# Altium PCB 400150.PcbDoc (part 2 of 3)
Units mil, origin at the board's own origin, x right, y up, seen from the top; angles counter-clockwise.
Board outline 4000 x 2500 mil, 4 copper layers (Top Layer, Mid-Layer 1, Mid-Layer 2, Bottom Layer), stack 62.293 mil thick; 207 components, 157 nets, 929 pads, 624 vias.
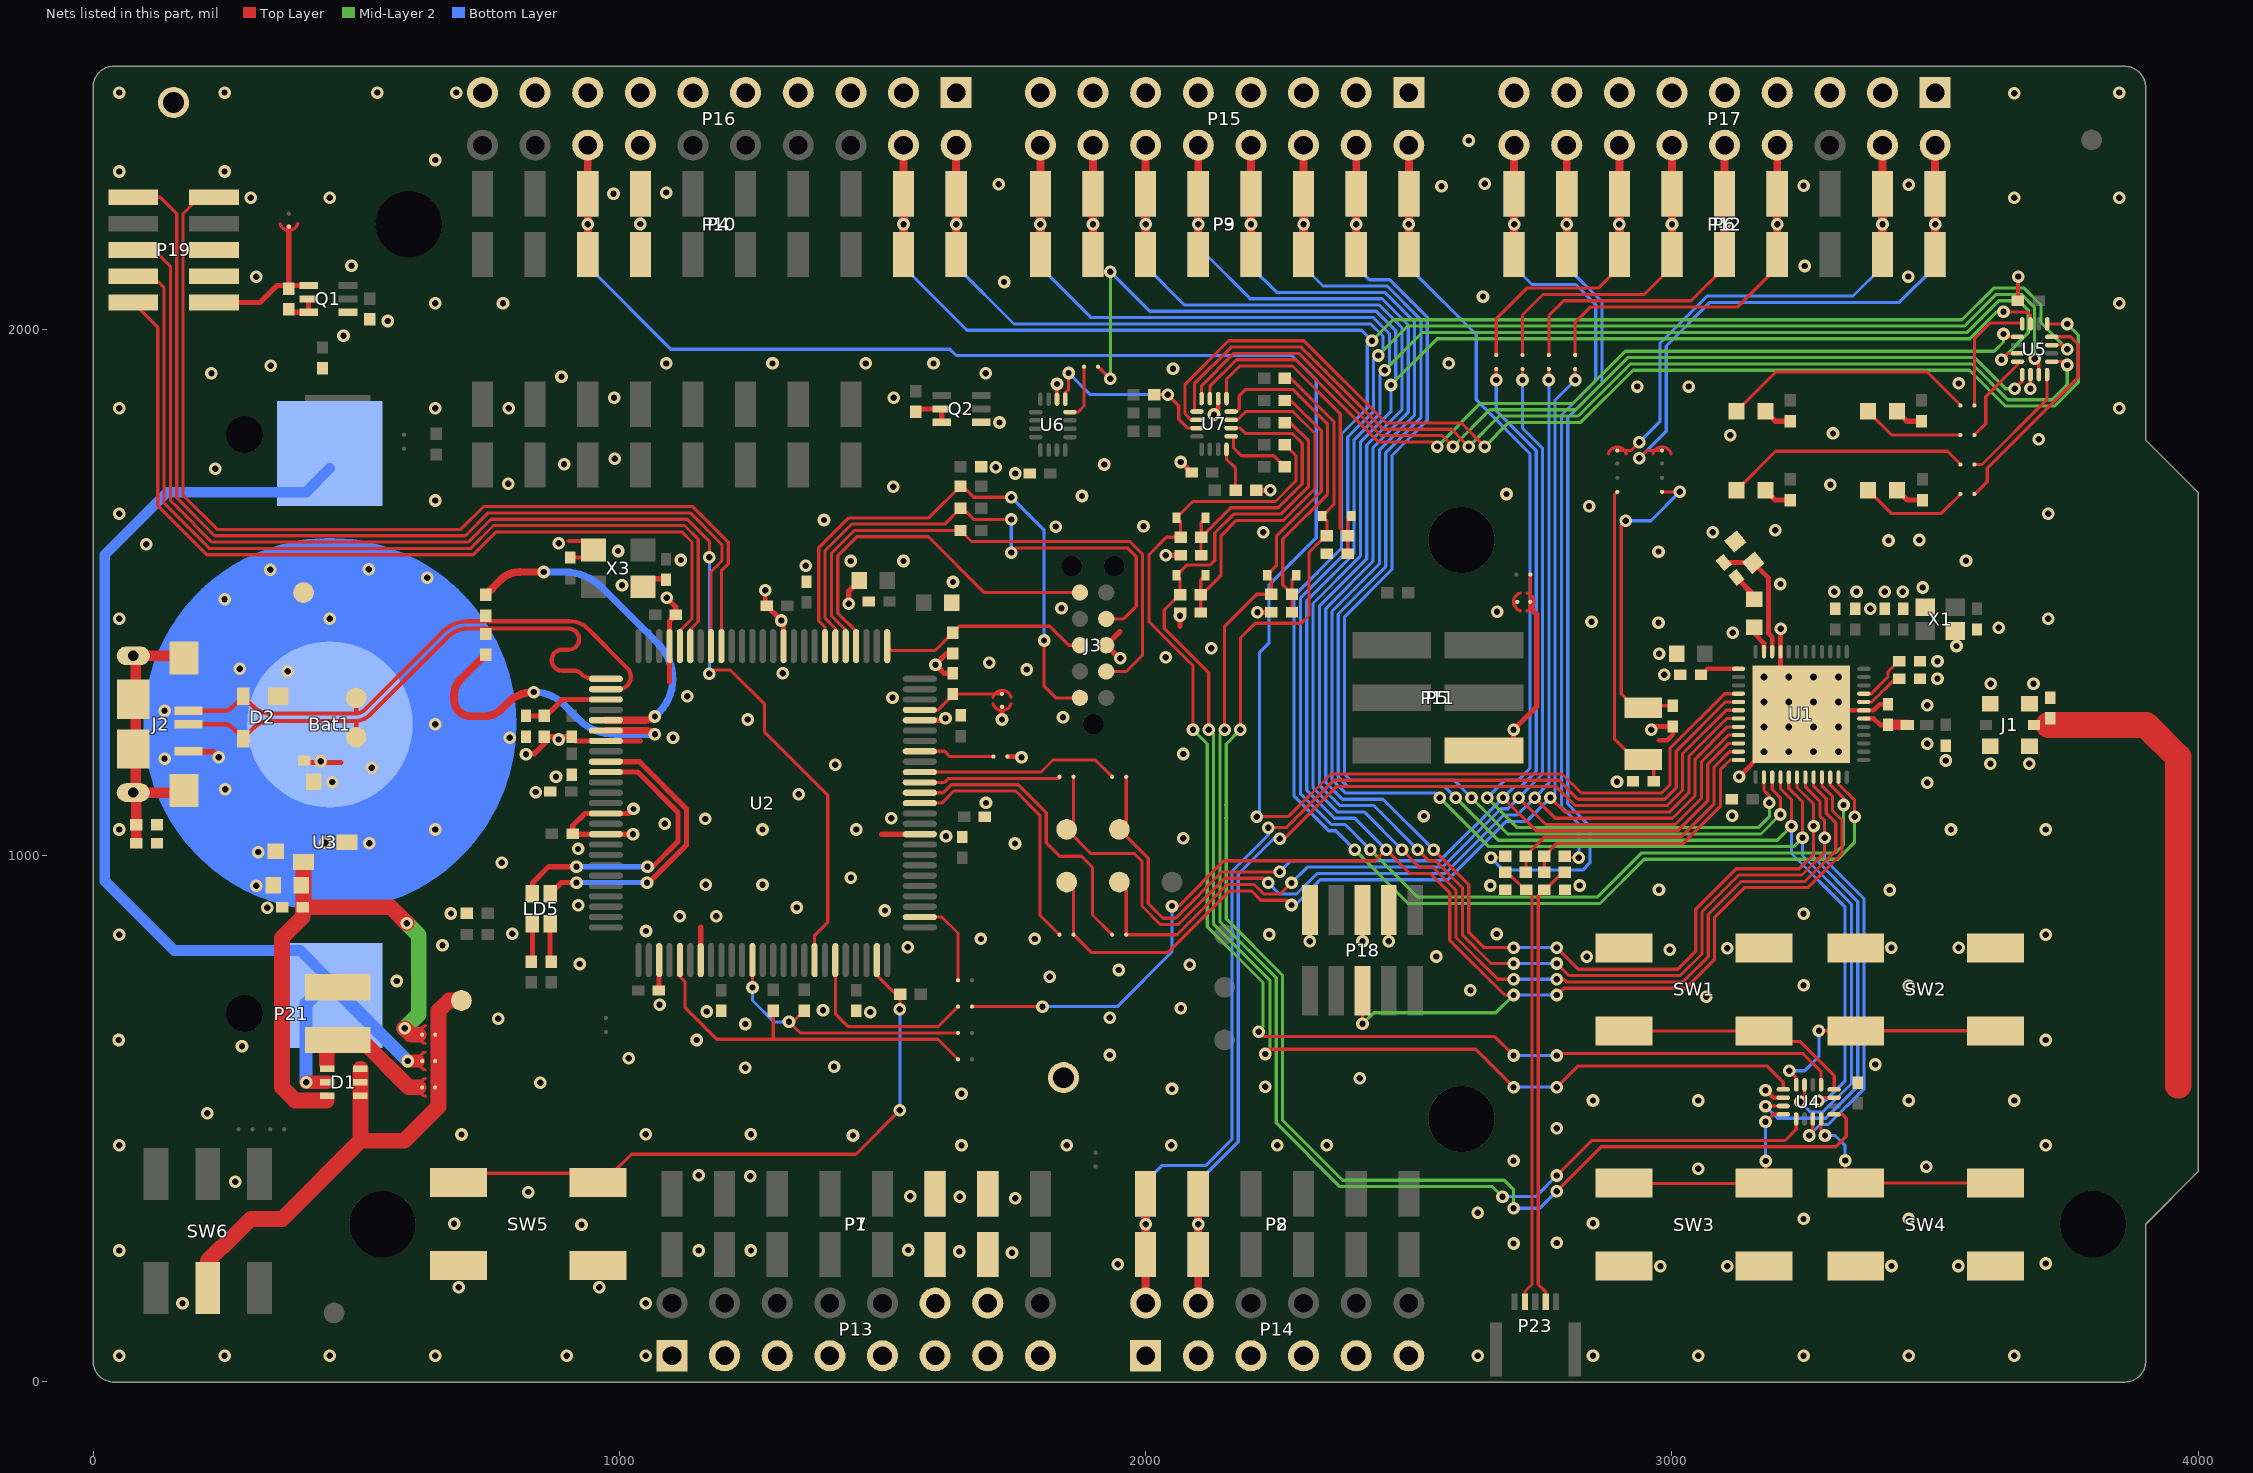
[diagram p4: the nets of this part, all layers, seen from the top]

## Part data (continued)
X2: library part "XTAL_FC-135 32.768k", "XTAL SMD 3215, 32.768kHz, 9pF, ±20ppm", 2nd source part number=127-8037, Manufacturer="Epson Toyocom", Manufacturer Part Number="FC-135 32.768KHZ ±20PPM,9.0PF", Supplier part number="FC-135 32.7680KA-AC-ND", 2nd source Supplier=Farnell, Artikkelnr Noca=22019091, Artikkelnr Simpro=N.A., Datasheet=http://www.farnell.com/datasheets/57480.pdf, Footprint Doc=XTAL_3215, LatestRevisionDate=2014-03-27, Note="XTAL SMD 32.768kHz, 3215", Part Number="XTAL_FC-135 32.768k", Pin Count=2, Published=2010-10-18, Publisher="Nordic Semiconductor", Supplier=Digi-Key
X3: library part XTAL_SMD3225_12MHz_18pF_TXC, "XTAL SMD 3225, 12MHz, Cl=18pF, Tol: ±30ppm, Stab: ±30ppm", 2nd source part number=184-2056, Manufacturer="TXC Corporation", Manufacturer Part Number=7M-12.000MAAJ-T, Supplier part number=887-1121-1-ND, 2nd source Supplier=Farnell, Artikkelnr Noca=22019166, Artikkelnr Simpro=N.A., Datasheet=http://www.txccrystal.com/images/pdf/7m.pdf, Footprint Doc=XTAL_3225, LatestRevisionDate=2014-11-27, Note="XTAL SMD 12.000MHz", Part Number=XTAL_SMD3225_12MHz_18pF_TXC, Pin Count=4, Published=2010-08-31, Publisher="Nordic Semiconductor", Supplier=Digi-Key
SB3 SB4 SB10 SB11 SB12 SB17 SB18 SB28 SB32: Artikkelnr Noca=N.A., Artikkelnr Simpro=N.A., Footprint Doc=Solderbridge, LatestRevisionDate=2009-12-14, Part Number=Solderbridge, Pin Count=2, Published=2009-12-14, Publisher="Nordic Semiconductor"

## Free pads (board coordinates)
  round 126 hole 126: 1(550,299.6) 1(600,2199.6) 1(2600,499.6) 1(2600,1599.6) 1(3800,299.6)

## Via types
v1: diameter 24, hole 12, Top Layer to Bottom Layer, tented both sides, 587 vias
v2: diameter 24, hole 12, Top Layer to Bottom Layer, 21 vias
v3: diameter 25.98, hole 12.99, Top Layer to Bottom Layer, tented both sides, 16 vias

## Nets (pads, with @x,y where several pads share a name; then routed paths per layer and width w, separated by ;. In a path a pad name is that pad's centre, name@x,y a point inside that pad or via, vN(x,y) a via of type N, cw(c..) or ccw(c..) an arc to the next point about the centre after c; other vN are vias at no path point)
ANT: C15.1 J1.3 | length 895.1
  Top Layer w50: 3715.87,1248.16 3900.48,1248.16 3961.87,1186.77 3961.87,563.09
BOOT: R5.1 SW5.2 U2.24 | length 1169.7
  Top Layer w6: SW5.2@721.13,396.34 986.87,396.34 1023.13,432.6 1449.6,432.6 v1(1533,516) ; U2.24@1489.14,801.37 1489.14,772.46 1525,736.6 R5.1@1533.32,736.6 ; v1(1533,708) R5.1@1533,736.28
  Bottom Layer w6: v1(1533,516) v1(1533,708)
BUTTON1': SW1.2 U4.16 | length 460.8
  Top Layer w6: SW1.2@2909.13,666.82 3174.87,666.82 3194.69,647 3242.66,647 3308.12,581.54 U4.16@3308.12,555.07
BUTTON1_EXT: C48.1 D3.3 R40.1 U7.2 | length 533
  Top Layer w6: C48.1@2104.9,1570.77 2104.9,1604.77 R40.1@2105.68,1604.77 ; D3.3@2113.78,1641.77 2105.68,1633.67 R40.1@2105.68,1604.77 ; U7.2@2162.42,1812.13 2179.73,1812.13 2190.24,1801.62 2278.99,1801.62 2297.62,1782.99 2297.62,1706.54 2251.85,1660.77 2161.68,1660.77 R40.1@2105.68,1604.77
BUTTON2': SW2.2 U4.4 | length 484.8
  Top Layer w6: v1(3222.66,591) 3236.04,577.62 U4.4@3236.04,564.48 ; v1(3279.13,667.26) 3614.53,667.26 SW2.2@3614.87,666.92
  Bottom Layer w6: v1(3222.66,591) 3252,591 3279.13,618.13 v1(3279.13,667.26)
BUTTON2_EXT: C49.2 D4.3 R41.1 U7.3 | length 706.9
  Top Layer w6: C49.2@2104.76,1461.77 R41.1@2104.76,1495.77 ; D4.3@2113.86,1532.77 2104.76,1523.67 R41.1@2104.76,1495.77 ; U7.3@2162.42,1827.87 2174.49,1827.87 2190.24,1843.62 2279.77,1843.62 2321.62,1801.77 2321.62,1696.6 2261.79,1636.77 2172.45,1636.77 2143.31,1607.63 2143.31,1532.77 2106.31,1495.77 R41.1@2104.76,1495.77
BUTTON3': SW3.2 U4.8 | length 419.2
  Top Layer w6: SW3.2@2909.02,377.19 SW3.2@3174.77,377.19 ; v1(3177.66,494) 3192.04,508.38 U4.8@3211.44,508.38 ; SW3.2@3178.02,380.44 v1(3178.02,419.63)
  Bottom Layer w6: v1(3177.66,494) 3177.66,419.98 v1(3178.02,419.63)
BUTTON3_EXT: C50.2 D5.3 R42.1 U7.4 | length 681.9
  Top Layer w6: U7.4@2162.42,1843.62 2172.94,1843.62 2177.94,1848.62 2177.94,1873.32 2190.24,1885.62 2279.77,1885.62 2345.62,1819.77 2345.62,1686.66 2260.31,1601.34 2260.31,1514.15 R42.1@2277.99,1496.47 ; C50.2@2277.99,1462.47 R42.1@2277.99,1496.47 ; D5.3@2285.86,1532.77 2277.99,1524.9 R42.1@2277.99,1496.47
BUTTON4': SW4.2 U4.12 | length 425.6
  Top Layer w6: U4.12@3283.29,499.52 3283.29,475.38 v1(3290.66,468) ; v1(3329.02,420.63) 3329.02,396.63 3348.02,377.63 SW4.2@3613.77,377.63
  Bottom Layer w6: v1(3290.66,468) 3309.65,468 3329.02,448.63 v1(3329.02,420.63)
BUTTON4_EXT: C51.1 D6.3 R43.1 U7.5 | length 612.5
  Top Layer w6: U7.5@2153.56,1868.23 2153.56,1905.02 2178.53,1930 2278.99,1930 2369.75,1839.24 2369.75,1621.71 R43.1@2383.76,1607.69 ; C51.1@2383.76,1573.69 R43.1@2383.76,1607.69 ; D6.3@2390.86,1645 2383.76,1637.9 R43.1@2383.76,1607.69
D17: P6.4 P12.4 P17.8 SB13.1 | length 826.8
  Top Layer w6: SB13.1@2816,1951 2816,2013 2845,2042 3124,2042 3200,2118 P6.4@3200,2141.92
  Top Layer w15: P6.4@3200,2151.6 v1(3200,2199.6) P6.4@3200,2257.28 P17.8@3200,2349.6
  Bottom Layer w15: P12.4@3200,2141.92 v1(3200,2199.6) P12.4@3200,2257.28
D18: P6.5 P12.5 P17.10 SB14.1 | length 794.1
  Top Layer w6: SB14.1@2766,1951 2766,2026 2794,2054 3036,2054 3100,2118 P6.5@3100,2141.92
  Top Layer w15: P6.5@3100,2141.92 v1(3100,2199.6) P6.5@3100,2257.28 P17.10@3100,2349.6
  Bottom Layer w15: P12.5@3100,2141.92 v1(3100,2199.6) P12.5@3100,2257.28
D19: P6.6 P12.6 P17.12 SB15.1 | length 736.4
  Top Layer w6: SB15.1@2716,1951 2716,2027 2755,2066 2947,2066 3000,2119 P6.6@3000,2141.92
  Top Layer w15: P6.6@3000,2149.6 v1(3000,2199.6) P6.6@3000,2257.28 P17.12@3000,2349.6
  Bottom Layer w15: P12.6@3000,2141.92 v1(3000,2199.6) P12.6@3000,2257.28
D20: P6.7 P12.7 P17.14 SB16.1 | length 678.9
  Top Layer w6: SB16.1@2666,1951 2666,2020 2724,2078 2860,2078 2900,2118 P6.7@2900,2141.92
  Top Layer w15: P6.7@2900,2153.6 v1(2900,2199.6) P6.7@2900,2257.28 P17.14@2900,2349.6
  Bottom Layer w15: P12.7@2900,2141.92 v1(2900,2199.6) P12.7@2900,2257.28
D21: P6.8 P12.8 P17.16 R27.1 | length 1782.3
  Top Layer w6: v1(2656,996) R27.1@2683.84,996
  Top Layer w15: P6.8@2800,2141.92 v1(2800,2199.6) P6.8@2800,2257.28 P17.16@2800,2349.6
  Bottom Layer w6: v1(2656,996) 2679.74,972.26 2830.13,972.26 2844,986.13 2844,1056 2802,1098 2802,1832.01 2867,1897.03 2867,2052 2800,2119 P12.8@2800,2141.92
  Bottom Layer w15: P12.8@2800,2141.92 v1(2800,2199.6) P12.8@2800,2257.28
D22: P6.9 P12.9 P17.18 R28.1 | length 1645.6
  Top Layer w6: R28.1@2799.69,996 v1(2823,996)
  Top Layer w15: P6.9@2700,2141.92 v1(2700,2199.6) P6.9@2700,2257.28 P17.18@2700,2349.6
  Bottom Layer w6: P12.9@2700,2141.92 2700,2119 2734,2085 2816.82,2085 2855,2046.82 2855,1902 2790,1837 2790,1093 2823,1060 v1(2823,996)
  Bottom Layer w15: P12.9@2700,2141.92 v1(2700,2199.6) P12.9@2700,2257.28
DEC1: C4.1 U1.1 | length 76
  Top Layer w8: C4.1@3055.31,1342.92 3067.16,1354.77 U1.1@3126.37,1354.77
DEC2: C6.1 U1.32 | length 88.3
  Top Layer w6: U1.32@3364.56,1291.78 3379.76,1291.78 3424.14,1336.16 C6.1@3434.46,1336.16
DEC3: C7.1 U1.33 | length 96
  Top Layer w6: U1.33@3364.56,1307.53 3378.54,1307.53 3410.46,1339.46 3410.46,1349.35 C7.1@3429.52,1368.41
DEC4: C10.2 L3.1 U1.46 | length 237.8
  Top Layer w9: L3.1@3098.47,1556.69 C10.2@3153.89,1556.69 ; C10.2@3154.57,1556 3183.46,1527.11 3183.46,1421.36 3190.35,1414.48 U1.46@3190.35,1388.46
DFSD_N: R14.1 U2.80 | length 645
  Top Layer w13.78: 810,1538.6 v1(856.61,1538.6) ; U2.80@974.38,1257.18 1048.61,1257.18 ; 1050.33,1257.18 ccw(c1050.33,1281.62) v1@1067.61,1264.34
  Top Layer w15: R14.1@746.01,1495.22 774.82,1524.03 cw(c810,1488.84) 810,1538.6
  Bottom Layer w13.78: v1(856.61,1538.6) 896.18,1538.6 cw(c896.18,1438.6) 966.9,1509.31 1073.32,1402.88 cw(c1005.04,1334.6) 1101.61,1334.6 cw(c1013.82,1334.6) 1075.89,1272.53 v1(1067.61,1264.24)
DFSD_P: R13.1 U2.81 | length 642.8
  Top Layer w13.78: U2.81@974.38,1237.39 1049.61,1237.39 ; 1050.33,1237.39 cw(c1050.33,1212.96) v1@1067.61,1230.24
  Top Layer w15: R13.1@746.01,1382.31 697.81,1334.11 ccw(c726.32,1305.6) 686,1305.6 686,1296.6 ccw(c718,1296.6) 718,1264.6 743.64,1264.6 ccw(c743.64,1309.96) 775.71,1277.89 787.8,1289.97 cw(c837.61,1240.16) v1(837.61,1310.6)
  Bottom Layer w13.78: v1(837.61,1310.6) cw(c837.61,1230.93) 893.94,1287.27 921.68,1259.53 ccw(c992.39,1330.24) 992.39,1230.24 v1@1067.61,1230.24
  other v1: 1067.61,1230.34
DHSD_N: D2.2 J2.2 R14.2 TP2.1 U2.77 | length 1124.2
  Top Layer w8: J2.2@181.84,1275.1 249.61,1275.1 ccw(c249.61,1295.1) 263.75,1280.95 D2.2@284.82,1302.03 ; D2.2@285.2,1302.95 285.2,1302.72 305.26,1282.66 ccw(c336.68,1314.07) 336.68,1269.65 497.83,1269.65 ccw(c497.83,1296.26) 516.65,1277.44 664.24,1425.04 ; 500,1271.82 TP2.1@500,1299.6 ; 664.14,1425.14 cw(c712.81,1376.48) 712.41,1445.3 904.62,1445.3 cw(c904.62,1393.92) 940.96,1430.25 1014.68,1356.53 ; 712.43,1445.3 cw(c712.81,1376.48) 712.81,1445.3 ; U2.77@974.38,1316.14 U2.77@997.79,1316.13 ; 1014.68,1356.53 cw(c997.8,1339.64) 997.8,1315.77 ccw(c997.8,1339.64) 1014.68,1356.53
  Top Layer w13.78: D2.2@285.2,1302.95 cw(c283.89,1302.95) 284.82,1302.03 ccw(c283.89,1302.95) D2.2@285.2,1302.95
DHSD_P: D2.3 J2.3 R13.2 TP1.1 U2.76 | length 1102.6
  Top Layer w8: J2.3@181.84,1249.6 249.61,1249.6 cw(c249.61,1229.6) 263.75,1243.74 D2.3@285.2,1222.25 ; D2.3@285.2,1222.49 305.26,1242.55 ; TP1.1@500,1224.6 500,1253.17 ; 674.57,1415.53 cw(c712.41,1377.7) 674.78,1415.73 cw(c712.41,1377.7) 712.41,1431.2 904.91,1431.2 ; 674.98,1415.93 526.62,1267.58 cw(c497.61,1296.6) 497.61,1255.56 336.67,1255.56 ; 891.42,1351.1 cw(c891.42,1371.1) 891.42,1391.1 ; 891.61,1351.1 915.35,1351.1 cw(c915.35,1337.44) 925.01,1347.1 ccw(c952.24,1374.33) 952.24,1335.82 U2.76@974.38,1335.82 ; 891.81,1391.1 903.62,1391.1 ccw(c903.62,1411.1) 903.62,1431.1 ; 305.26,1242.55 cw(c336.67,1211.13) 336.67,1255.56 ; 305.26,1242.55 cw(c336.67,1211.13) 336.67,1255.56
  Top Layer w13.78: D2.3@285.2,1222.25 D2.3@285.2,1222.49
EXT_GND_DETECT: P19.9 U2.67 | length 1918.7
  Top Layer w6: P19.9@229.77,2250.6 202,2250.6 171,2219.6 171,1684.48 235.88,1619.6 698.56,1619.6 742,1663.04 1139.52,1663.04 1207,1595.55 1207,1554.43 1193.87,1541.3 U2.67@1193.87,1397.83
EXT_RESET: P19.10 U2.68 | length 1946.2
  Top Layer w6: P19.10@76.23,2250.6 128,2250.6 159,2219.6 159,1679.51 230.91,1607.6 707.65,1607.6 751.09,1651.04 1134.55,1651.04 1195,1590.58 1195,1560.32 1174.18,1539.5 U2.68@1174.18,1397.83 U2.68@1174,1398.01
EXT_SWDCLK: P19.4 U2.70 | length 1765.6
  Top Layer w6: P19.4@76.23,2100.6 113,2100.6 135,2078.6 135,1669.57 220.97,1583.6 717.59,1583.6 761.03,1627.04 1123.76,1627.04 1150,1600.79 1150,1444.63 1134.81,1429.44 U2.70@1134.81,1397.83
EXT_SWDIO: P19.2 U2.71 | length 1692.3
  Top Layer w6: P19.2@76.23,2050.6 123,2003.83 123,1664.6 216,1571.6 722.56,1571.6 766,1615.04 1118.78,1615.04 1138,1595.82 1138,1449.6 1115.13,1426.73 U2.71@1115.13,1397.83
EXT_SWO: P19.6 U2.18 | length 2553.2
  Top Layer w6: P19.6@76.23,2150.6 116,2150.6 147,2119.6 147,1674.54 158.94,1662.6 225.94,1595.6 712.62,1595.6 756.06,1639.04 1128.78,1639.04 1171,1596.82 v1(1171,1566.92) ; v1(1171,1345.6) 1178,1352.6 1211,1352.6 1276,1287.6 1276,1234.6 1396,1114.6 1396,873.6 1371.03,848.63 U2.18@1371.03,801.37
  Bottom Layer w6: v1(1171,1345.6) v1(1171,1566.92)
EXT_VTG: P19.1 Q1.4 R8.1 SB32.2 | length 310.7
  Top Layer w10: P19.1@229.77,2050.6 317,2050.6 349.59,2083.19 R8.1@372,2083.19 ; R8.1@372,2077.29 R8.1@372,2083.19 ; SB32.2@372,2194.7 372,2187.83 R8.1@372,2083.19 ; Q1.4@409.6,2083.19 R8.1@372,2083.19
GND: Bat1.2 C1.2 C2.2 C3.1 C4.2 C5.2 C6.2 C7.2 C8.2 C9.2 C10.1 C11.1 C12.1 C13.2 C15.2 C16.1 C17.1 C18.1 C19.1 C20.1 C21.1 C22.2 C23.2 C24.1 C25.1 C26.1 C27.1 C28.1 C29.1 C30.1 C31.1 C32.1 C33.1 C34.1 C35.1 C36.2 C37.1 C38.1 C39.1 C40.1 C41.1 C42.2 C43.1 C44.1 C45.1 C46.1 C47.1 C48.2 C49.1 C50.1 C51.2 C52.2 C53.2 D2.1 J1.2 J2.5 J3.3 P1.6 P1.7 P4.7 P7.6 P7.7 P10.7 P13.1 P13.3 P13.5 P13.7 P13.9 P13.11 P13.12 P13.13 P13.14 P13.15 P14.1 P14.3 P14.5 P14.7 P14.9 P14.11 P15.1 P15.3 P15.5 P15.7 P15.9 P15.11 P15.13 P15.15 P16.1 P16.3 P16.5 P16.7 P16.9 P16.11 P16.13 P16.14 P16.15 P16.17 P16.19 P17.1 P17.3 P17.5 P17.7 P17.9 P17.11 P17.13 P17.15 P17.17 P18.3 P18.5 P18.9 P19.3 P19.5 P21.1 Q1.1 Q2.1 R7.2 R10.1 R11.1 R12.1 R17.1 R24.2 R38.1 R45.1 SB18.1 SB28.2 SB31.2 SW1.1 SW2.1 SW3.1 SW4.1 SW5.1 TP4.1 TP12.1 TP13.1 U1.31 U1.45 U1.49 U2.3 U2.7 U2.35 U2.46 U2.61 U2.72 U2.82 U2.89 U2.91 U3.3 U4.6 U5.6 U6.6 U7.6 X1.2 X1.4 X3.2 X3.4 | length 2525.1
  Top Layer w8: 904,1597.6 933.66,1597.6 X3.2@950.6,1580.66 936.22,1566.28 C22.2@906.61,1566.29 ; U6.6@1831.49,1867 v1(1831.49,1896) ; v1(2129.94,1838) 2137.81,1845.87 U7.6@2137.81,1868.23 ; v1(2312,837) P18.9@2312,896.54 ; v1(2412,837) P18.5@2412,896.54 ; v1(2462,837) P18.3@2462,896.54 ; v1(3177.66,554) 3178.78,554 3192.9,539.87 U4.6@3211.44,539.87 ; C45.1@3657.31,2054 v1@3657.31,2099.63 ; v1(3681,1887) 3681.13,1887.13 U5.6@3681.13,1913.77
  Top Layer w9: v1(1277,1503.92) 1277,1477.52 C35.1@1279.92,1474.6 ; v1(1727,1258.49) SB28.2@1727,1282.49 ; SB31.2@1737.3,1188 1763,1188 v1(1764,1187) ; v1(2960.61,1238.85) 2966.93,1245.16 C11.1@3001.61,1245.16 3001.61,1229.54 2990.91,1218.85 2975.14,1218.85 ; v1(3127.46,1150.05) 3127.46,1150.16 v3(3174.6,1197.29) U1.49@3245.46,1268.16 ; U1.49@3206.09,1354.77 U1.45@3206.09,1387.25 v1@3206.09,1431.16 ; U1.49@3269.78,1276.16 3383.23,1276.16 3394.53,1287.46 C3.1@3410.78,1287.46
  Top Layer w10: J2.5@186.84,1198.42 186.84,1197.1 228.46,1197.1 v2(239,1186.56) ; C21.1@401.29,1180.6 401.29,1176.6 471.11,1176.6 ; v1@827.61,1193.6 838.61,1193.6 860.61,1215.6 860.61,1225.91 C38.1@909.61,1225.91 917.81,1217.71 1039.89,1217.71 ; v1(1026,1040.6) v1(1026,1040.6) 912.35,1040.54 C41.1@911.29,1041.6 911.29,1056.66 934.55,1079.91 1018.31,1079.91 v1(1027,1088.6) ; X3.4@1044.61,1525.91 C23.2@1088.61,1525.91 ; C24.1@1075.29,743.6 U2.3@1075.29,800.91 ; v1(1090,1489.6) 1107.29,1472.31 C36.2@1107.29,1457.6 1095.44,1445.75 1095.44,1330.04 ; U2.7@1154.5,801.37 1154.5,864.1 ; C35.1@1279.92,1474.6 v1@1305.92,1448.6 ; U2.61@1311.98,1397.83 v1@1311.98,1440.36 ; v1(1436,1478.6) 1436,1502.57 C33.1@1456.03,1522.6 ; 1498.06,1040.54 U2.35@1570.83,1040.54 ; U2.46@1570.83,1257.08 1616.09,1257.08 v1(1619.61,1260.6) ; C30.1@1633.61,1346.28 1616.92,1346.28 v1(1600.61,1362.6) 1621.92,1383.91 R24.2@1633.61,1383.91 ; 1951,1425.6 J3.3@1925,1399.6 1950,1374.6 v1(1952,1374.6) ; v1(2038.31,1570.77) C48.2@2066.31,1570.77 ; 2065.31,1435.77 2065.31,1461.69 C49.1@2065.39,1461.77 ; v1(2066.62,1747.77) 2067.31,1747.77 C47.1@2087.31,1727.77 ; R38.1@2210.36,1693.77 v1(2236.62,1693.77) ; v1(2212.31,1462.47) C50.1@2238.62,1462.47
  other v1: 50,49.6 250,49.6 450,49.6 650,49.6 900,49.6 1050,49.6 2631,49.6 2850,49.6 3050,49.6 3250,49.6 3450,49.6 3650,49.6 170,149.6 1050,149.6 695,179.6 962,179.6 2978.02,219.71 3105.02,219.71 3417.02,220.15 3544.02,220.15 1947,223.6 3710,225 1746,245.6 1646,247.6 50,249.6 1151,249.6 1250,249.6 1549,250.6 2699,263 2781,264 928,298.6 686,300.6 2850,301.6 3250,309.6 3450,309.6 2631,321.6 1752,348.6 1647,351.6 1553,352.6 827,360.6 270,380 1249,390.6 1151,392.6 3050.02,404.64 3482.89,408.89 2699,420 50,449.6 1650,449.6 1850,449.6 2048.5,449.6 2250,449.6 2344,449.6 3710,449.6 1444,468 700,470 1050,470.6 1250,470.6 2781,482 217,510.6 2850,534.6 3050,534.6 3450,534.6 3650,534.6 1650,547.6 2050,556.6 2227,561 850,568.6 2406.69,577 1239,596.6 1408.02,599 3386,603 1018,614.92 1932.02,621 283,637.6 49,649.6 1147,649.6 3710,649.6 1239.02,680 770,690 1932.02,692 1477,702.6 1166,703.6 1387.02,706 2067,709.6 1076.44,716.37 3065,732 2617,744 3450,752.6 3250,753.6 577,761.6 1818,769.6 1949,782.6 2084,792.6 924.61,793.91 2552,808.23 2838,808 2996,821 3105,824 3416.87,824.74 3544.87,824.74 1548.2,825.6 664,829.6 1687,841.6 1789,841.6 50,849.6 2235,850 3710,849.6 2667,851 796.61,851.6 1050.61,856.6 1115,884.6 1184,884.6 680,890 3250,889.6 1504.61,895.6 331,900.6 1337.09,901.37 922,905.6 2975.31,935 3414,934.6 2655,943 2825,943 1164,944.6 1272,944.6 1440,957.6 776.61,986.6 921.61,1012.6 1751.69,1023 2071.31,1033 1620.61,1036.6 50,1049.6 1272,1049.6 1450,1049.6 3530,1049.6 3710,1049.6 1086,1060.6 1163,1069.6 1516.61,1070.6 2528.69,1075 3114.13,1075.74 1696.69,1100 1341.09,1116.37 841,1120.6 3485,1138.03 2895.5,1140.29 879.61,1149.6 1410.09,1172.37 3605,1174.6 3679,1174.6 3520,1180.6 822.61,1192.6 2071.31,1193 3485,1212.6 884.61,1220.6 1102,1223.6 1244,1258.6 1843,1262.6 3485,1285.6 1519,1299.6 1129,1302.6 3605.87,1326.16 3686.87,1326.16 3504.46,1336.16 2985.46,1343.37 1310.61,1346.6 1774,1353.6 1703,1366.6 3504.46,1369.16 2038.31,1377 2975.46,1383.37 2124.31,1394 3540.46,1398.16 3115.46,1423.36 3206.46,1431.16 3621,1433 2974.46,1442.54 2847,1444 1307.61,1446.6 50,1449.6 3715,1449.6 2065.31,1455.77 2667.69,1463 3376.46,1468.85 1840,1469.6 3308.46,1501.16 3350.46,1501.16 3404.46,1501.16 3438.46,1501.16 3476.46,1509.17 1005,1513.6 3206,1516 1634,1519.6 1354,1550.6 1439.61,1559.6 1540,1559.6 3558.46,1560.16 1117,1561.6 2974.46,1577.54 997.61,1578.6 101,1591.6 884.61,1593.6 3411.46,1598.54 3470,1599.6 2223.31,1614 3077.46,1614.16 3196,1618 1829.31,1625 1996,1625.6 1388.84,1637.6 50,1649.6 3715,1649.6 2842.46,1663.54 650,1674.6 1879.09,1683 2685.69,1687 1520.31,1700.77 3301,1704.6 789,1706.6 1752.31,1725.77 232,1734.6 1715.31,1737.77 1921.09,1743 895,1743.6 991,1753.6 3696.69,1791 3110.46,1798.54 3306.01,1801.99 1722.31,1822.77 50,1849.6 650,1849.6 790,1849.6 3850,1849.6 990,1869.6 1521.31,1869.77 2933.69,1891 3031.69,1891 3545.01,1896.99 890,1909.6 225,1916.6 1696,1916.6 2052,1925 338,1930.6 1089,1935 1291,1935 1468,1935 1597,1935 2576,1935 476,1987.6 560,2015.6 650,2049.6 779,2049.6 3850,2049.6 2641,2062 1731,2089.6 310,2099.6 3449,2100 3657.69,2100 3252,2120 491,2120.6 1040,2200 300,2249.6 450,2249.6 3650,2249.6 3850,2249.6 989,2257.6 1089,2259.6 2562,2271.6 3250,2272.6 3450,2274.6 1721,2275.6 2644,2276.6 50,2299.6 250,2299.6 650,2321.6 2614,2358.6 3650,2448.6 50,2449.6 250,2449.6 540,2449.6 690,2449.6 3850,2449.6
  other v2: 310,942.6 314,1006.6 525,1023.6 441,1024.6 650,1049.6 251,1126 454.61,1139.6 529.61,1166.6 432.61,1179.1 136,1184 791.61,1223.6 650,1249.6 136,1275 370,1350 279,1355 450,1449.6 250,1487 635,1528 337,1543 524,1544
  other v3: 3221.84,1197.29 3269.09,1197.29 3316.33,1197.29 3174.6,1244.54 3221.84,1244.54 3269.09,1244.54 3316.33,1244.54 3174.6,1291.78 3221.84,1291.78 3269.09,1291.78 3316.33,1291.78 3174.6,1339.03 3221.84,1339.03 3269.09,1339.03 3316.33,1339.03
IMCU_CTS: SB22.2 U2.38 | length 499.2
  Top Layer w6: U2.38@1570.83,1099.6 1612.55,1099.6 1635.55,1122.6 1753.01,1122.6 1799,1076.6 1798.99,887.01 SB22.2@1836.4,849.6
IMCU_RESET: J3.10 R23.1 U2.57 | length 1076.3
  Top Layer w6: U2.57@1390.72,1397.83 1390.72,1434.02 1379,1445.73 1379,1584.51 1436.09,1641.6 1588.16,1641.6 R23.1@1648.16,1701.6 1652.16,1701.6 1673.16,1680.6 v1(1744.69,1680.6) ; v1(1807,1408.6) 1807,1321.6 1829,1299.6 J3.10@1875,1299.6